# Allegro board ADRV9371-N_PCBZ_Layout_RevB.brd (continued)
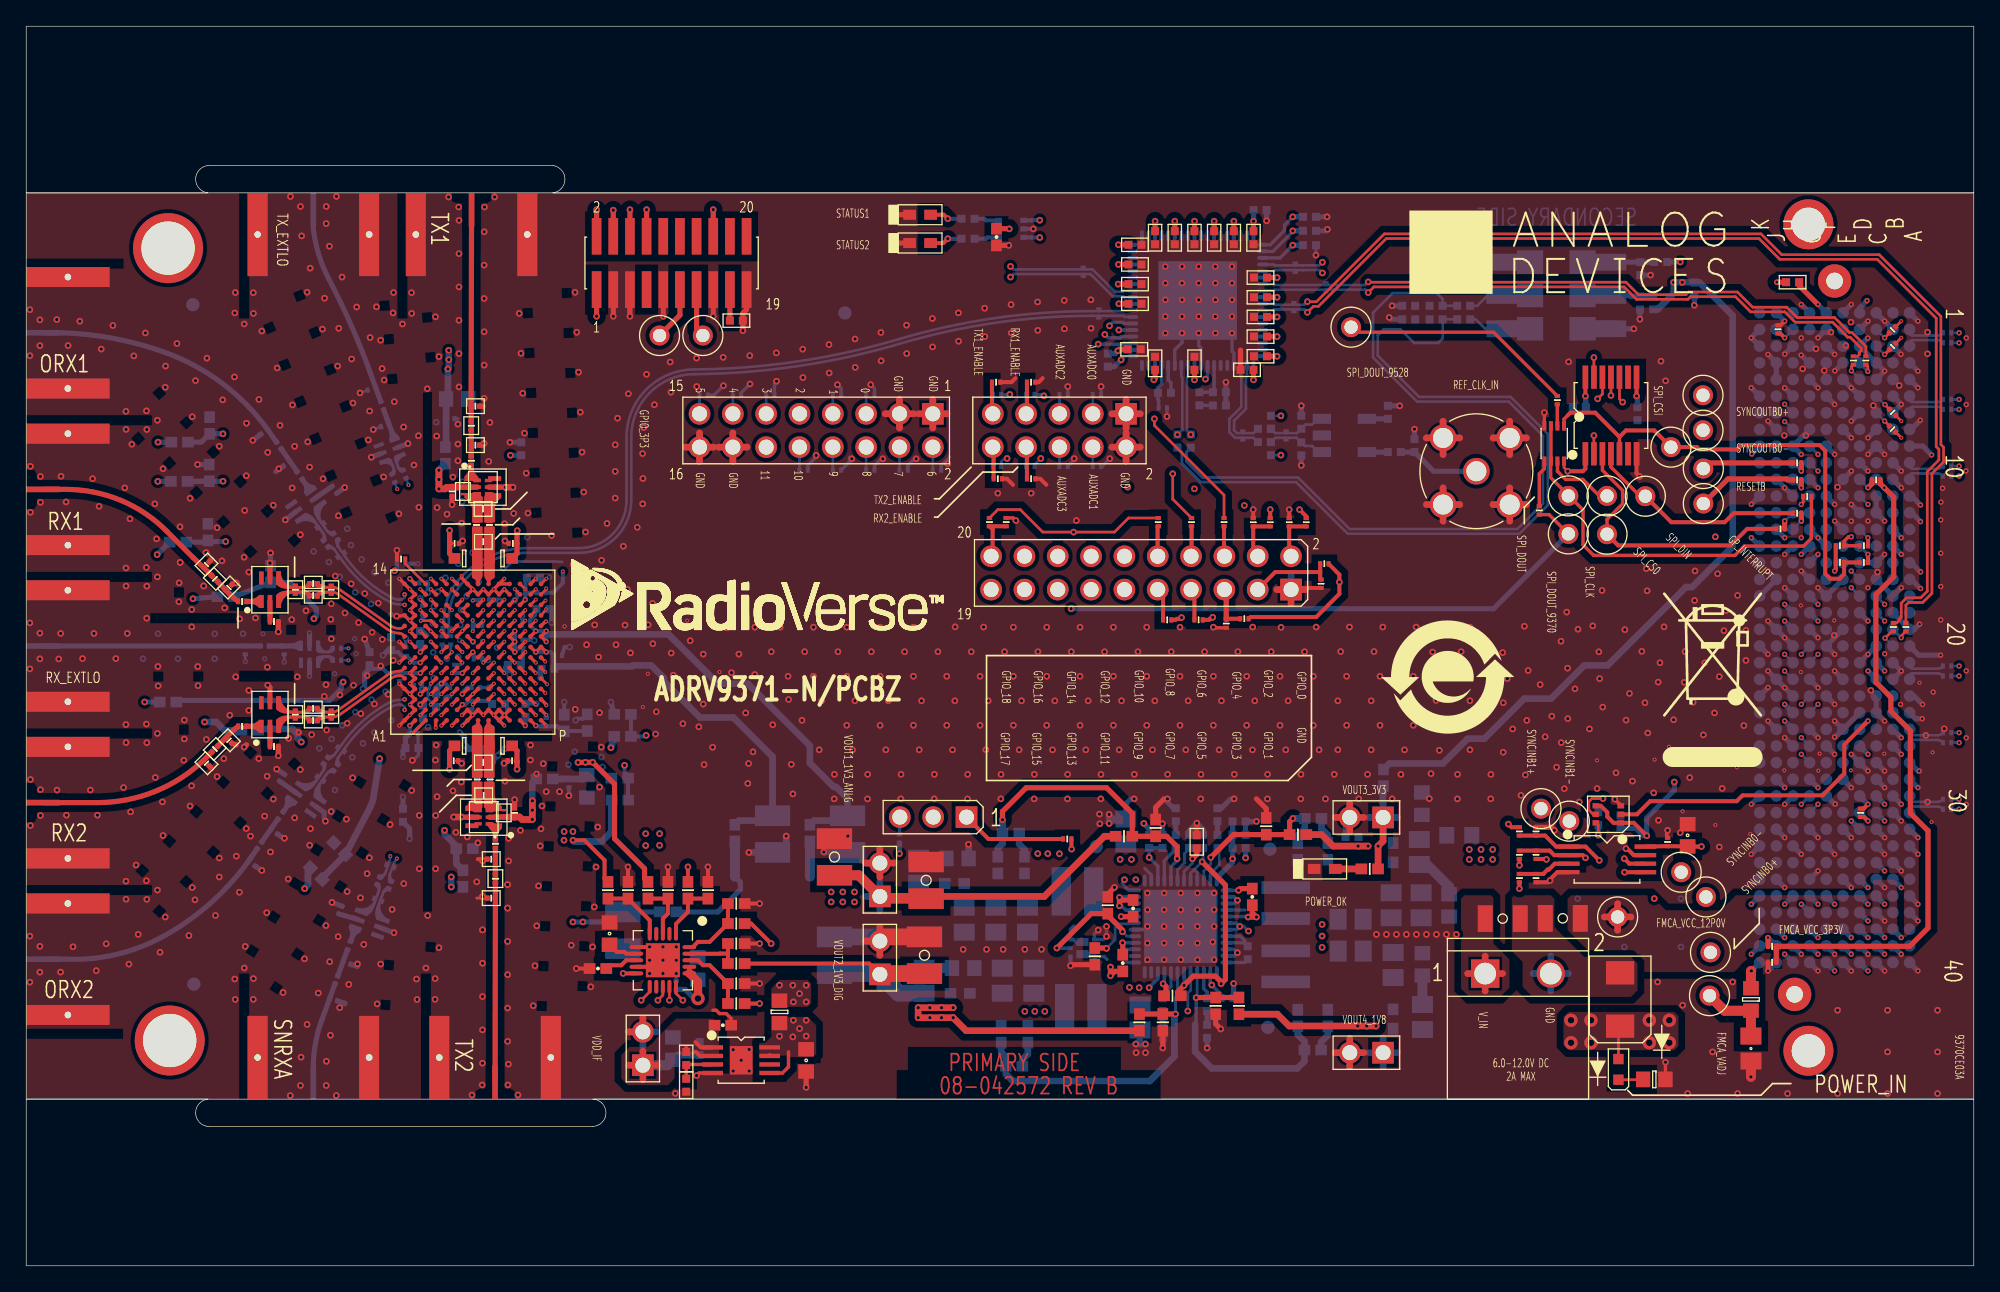
[diagram p0: board, top side]
## Copper pours and planes (outline as drawn; the poured copper is in the pictures) (continued)
VDD_IF on L12_PWR: 75.7,34.84 63.76,22.91 54.89,22.91 51.68,19.73 46.11,19.73 44.84,18.46 44.84,13.51 45.35,13 68.84,13 80.91,25.07 80.91,30.91 89.04,39.04 122.69,39.04 125.23,36.5 126.37,36.5 138.19,48.31 138.19,53.01 137.8,53.39 103.51,53.39 98.82,58.09 77.61,58.09 75.7,56.18
VDD_IF_LDO on TOP: 58.05,15.83 58.12,15.91 59.98,15.91 60.21,16.14 60.21,18.33 59.57,18.97 56.78,18.97 56.78,17.45 56.31,16.98 55.89,16.98 55.84,16.93 55.84,15.97 55.98,15.83
1P3_BUCK_OUT on BOTTOM: 80.07,21.37 80.07,18 79.92,17.84 71.54,17.84 71.46,17.92 71.46,21.35 71.59,21.48 79.97,21.48
3P3V_CLK on BOTTOM: 109.48,30.65 109.48,33.32 109.61,33.45 110.88,33.45 112.09,32.24 112.09,30.84 111.64,30.4 109.74,30.4
3P3V_CLK on L3_PWR: 146.34,31.86 128.41,31.86 125.87,34.4 121.87,34.4 119.96,32.5 114.12,32.5 112.28,30.65 109.74,30.65 109.1,31.29 109.1,39.54 111.64,42.08 137.52,42.08 140.79,45.36 140.79,62.12 139.09,63.82 106.79,63.82 106.08,63.17 87.51,63.17 80.78,69.9 80.78,76.75 80.27,77.26 74.3,77.26 74.05,77.52 74.05,80.44 74.3,80.69 99.32,80.69 107.48,72.53 144.91,72.57 147.38,70.1 147.38,32.91
3P3V_CLK on L10_SIG: 81.92,67.19 82.44,66.67 97.3,66.67 97.75,67.13 97.75,80.23 97.16,80.82 82.43,80.82 81.92,80.31
3P3V_VCO on L3_PWR: 108.6,79.51 108.6,74.69 108.78,74.51 126.91,74.51 127.24,74.84 127.24,79.51 126.99,79.77 108.85,79.77
3P3VAUX on L12_PWR: 112.4,33.83 112.4,29.26 112.87,28.79 126.53,28.79 126.83,29.1 139.59,29.1 139.76,29.27 139.76,34.05 139.46,34.35 112.93,34.35
BAL_TX1+ on TOP (solid shape): 34.64,58.95 34.66,58.73 34.8,58.6 34.8,56.72 34.77,56.67 34.72,56.65 34.06,56.65 34,56.67 33.98,56.72 33.98,57.71 33.79,58.18 33.42,58.52 33.42,58.88 33.73,58.85 33.92,58.89 34.1,58.98
BAL_TX2+ on TOP (solid shape): 35.62,36.9 35.67,36.88 35.69,36.83 35.69,35.85 35.89,35.37 36.26,35.03 36.26,34.67 35.95,34.7 35.76,34.66 35.58,34.57 35.03,34.6 35.02,34.83 34.88,34.95 34.88,36.83 34.9,36.88 34.95,36.9
FMCA_VADJ on L12_PWR: 127.04,21.83 127.04,19.24 127.14,19.14 132.83,19.14 133.03,19.34 133.03,21.27 133.82,22.06 139.2,22.06 139.43,22.29 139.43,24.57 139.31,24.7 130.75,24.7 130.7,24.65 130.7,22.21 130.44,21.96 127.17,21.96
FMCA_VCC_3P3V on L12_PWR: 126.96,22.64 127.05,22.56 130.05,22.56 130.16,22.67 130.16,25.03 130.57,25.44 139.26,25.44 139.84,24.85 139.84,21.91 139.94,21.81 142.68,21.81 142.79,21.91 142.79,28.18 142.58,28.38 127.04,28.38 126.96,28.31
FMCA_VCC_12P0V on TOP: 120.67,22.39 130.18,22.39 132.07,24.28 132.07,24.92 132.49,25.34 142.48,25.34 142.61,25.46 142.61,29.25 142.43,29.43 140.86,29.43 140.75,29.32 140.75,28.65 140.34,28.24 130.31,28.24 129.17,27.1 124.98,27.1 123.83,28.24 117.74,28.24 117.48,27.99 117.48,25.57
INPUT_VOLTAGE on TOP: 125.61,19.35 117.55,19.35 117.17,18.97 117.17,16.81 117.55,16.43 125.61,16.43 125.93,16.75 125.93,19.03
INPUT_VOLTAGE on BOTTOM: 100.77,27.37 100.77,23.13 100.67,23.03 98.54,23.03 98.42,23.14 98.42,27.43 98.49,27.5 100.65,27.5
INPUT_VOLTAGE on BOTTOM: 85.86,19.32 85.76,19.22 83.93,19.22 83.83,19.32 83.83,21.5 84.98,22.64 86.02,22.64 86.07,22.59 86.07,21.63 85.86,21.42
INPUT_VOLTAGE on BOTTOM: 85.71,28.97 84.95,28.97 84.87,28.89 84.87,28.54 84.82,28.49 83.5,28.49 83.45,28.54 83.05,28.54 82.87,28.71 82.87,32.78 82.89,32.8 84.65,32.8 84.7,32.75 84.7,31 85.76,29.93 85.76,29.02
INPUT_VOLTAGE on L12_PWR: 102.24,27.35 117.61,27.35 125.93,19.03 125.93,16.75 125.1,15.92 106.68,15.92 103.89,18.72 84.69,18.72 82.89,20.51 82.89,30.99 85.29,33.38 96.21,33.38
ORX1+ on BOTTOM (solid shape): 23.09,55.03 23.39,54.84 23.63,54.58 24.07,53.96 23.86,53.9 23.85,53.9 23.47,54.44 23.23,54.61 22.94,54.55 22.76,54.8 22.76,54.86 23.03,55.05
ORX1- on BOTTOM (solid shape): 23.84,55.56 24.02,55.31 23.86,55.05 23.93,54.77 24.31,54.22 24.31,54.22 24.16,54.11 23.75,54.67 23.59,54.98 23.51,55.32 23.51,55.39 23.78,55.58
ORX2+ on BOTTOM (solid shape): 24.18,39.44 24.31,39.34 24.31,39.33 23.93,38.79 23.86,38.5 24.02,38.25 23.84,38 23.78,37.98 23.51,38.17 23.51,38.23 23.59,38.57 23.75,38.88 24.16,39.44
ORX2- on BOTTOM (solid shape): 24.01,39.56 24.02,39.54 23.63,38.97 23.39,38.72 23.09,38.52 23.03,38.5 22.76,38.69 22.76,38.75 22.94,39 23.23,38.94 23.47,39.11 23.85,39.65 23.86,39.65
SNRXA- on BOTTOM (solid shape): 27.71,30.68 27.72,30.66 27.5,29.99 27.33,29.69 27.1,29.42 27.05,29.39 26.74,29.5 26.72,29.56 26.82,29.85 27.12,29.86 27.32,30.09 27.54,30.71 27.55,30.71
UNNAMED_3_CAP_I2_N1 on TOP (solid shape): 19.41,52.93 19.65,52.19 20.33,51.82 21.14,51.82 21.34,51.96 21.41,52.2 21.71,52.2 21.76,52.16 21.76,51.83 21.71,51.79 21.44,51.66 21.14,51.61 19.82,51.61 19.41,51.7 19.05,51.94 19.05,52.93
UNNAMED_3_CAP_I3_N1 on TOP (solid shape): 21.14,51.46 21.44,51.41 21.71,51.28 21.76,51.24 21.76,50.91 21.71,50.88 21.41,50.88 21.34,51.11 21.14,51.26 20.33,51.26 19.65,50.88 19.41,50.15 19.05,50.15 19.05,51.14 19.41,51.37 19.82,51.46
UNNAMED_3_CAP_I109_N1 on TOP (solid shape): 21.14,41.94 21.44,41.9 21.71,41.76 21.76,41.73 21.76,41.4 21.71,41.36 21.41,41.36 21.34,41.59 21.14,41.74 20.33,41.74 19.65,41.36 19.41,40.63 19.05,40.63 19.05,41.62 19.41,41.86 19.82,41.94
UNNAMED_3_CAP_I109_N2 on TOP (solid shape): 19.41,43.41 19.65,42.67 20.33,42.3 21.14,42.3 21.34,42.44 21.41,42.68 21.71,42.68 21.76,42.64 21.76,42.31 21.71,42.27 21.44,42.14 21.14,42.1 19.82,42.1 19.41,42.18 19.05,42.42 19.05,43.41
UNNAMED_3_CAP_I137_N2 on BOTTOM (solid shape): 26.97,29.17 26.99,29.11 27.02,28.81 26.96,28.51 26.51,27.28 26.28,26.91 25.94,26.66 25.05,26.99 25.08,27.02 25.2,27.31 25.21,27.31 25.94,27.32 26.49,27.82 26.77,28.58 26.7,28.82 26.5,28.96 26.61,29.25 26.66,29.29
UNNAMED_3_CAP_I141_N1 on BOTTOM (solid shape): 22.93,58.13 22.47,57.51 22.55,56.74 23.01,56.08 23.25,56 23.48,56.08 23.65,55.83 23.65,55.76 23.38,55.57 23.32,55.59 23.06,55.74 22.85,55.96 22.09,57.04 21.93,57.43 21.92,57.86 22.73,58.42
UNNAMED_3_CAP_I141_N2 on BOTTOM (solid shape): 21.26,57.4 21.66,57.24 21.97,56.95 22.72,55.87 22.86,55.6 22.9,55.3 22.9,55.24 22.63,55.05 22.57,55.07 22.4,55.32 22.55,55.51 22.56,55.76 22.09,56.42 21.39,56.76 20.65,56.54 20.45,56.83
UNNAMED_3_CAP_I188_N1 on BOTTOM (solid shape): 22.9,38.31 22.9,38.25 22.86,37.95 22.72,37.68 21.97,36.6 21.66,36.31 21.26,36.16 20.52,36.71 20.72,36.97 21.43,36.8 22.09,37.13 22.55,37.8 22.55,38.04 22.4,38.23 22.57,38.48 22.63,38.5
UNNAMED_3_CAP_I188_N2 on BOTTOM (solid shape): 23.65,37.79 23.65,37.73 23.48,37.48 23.25,37.55 23.01,37.47 22.55,36.81 22.46,36.08 22.87,35.46 22.87,35.46 22.7,35.18 21.92,35.7 21.93,36.12 22.09,36.51 22.85,37.59 23.06,37.81 23.32,37.96 23.38,37.98
UNNAMED_5_CAP_I900_N2 on BOTTOM: 107.28,73.47 107.28,71.92 107.18,71.82 105.58,71.82 105.52,71.87 105.52,73.47 105.58,73.52 107.23,73.52
UNNAMED_8_ADP5054_I118_SW11 on BOTTOM: 84.9,28.13 84.9,27.24 84.85,27.19 83.32,27.19 81.83,25.69 81.29,25.69 80.78,25.18 80.78,24.68 80.66,24.55 79.95,24.55 79.82,24.68 79.44,24.68 79.39,24.73 79.39,25.64 80.38,26.63 80.38,30.39 80.45,30.47 82.16,30.47 82.26,30.37 82.26,28.44 82.41,28.28 83.86,28.28 83.99,28.16 84.87,28.16
UNNAMED_8_ADP5054_I118_SW21 on BOTTOM: 84.06,22.95 82.99,21.88 82.99,17.79 82.94,17.74 80.66,17.74 80.58,17.82 80.58,23.18 80.28,23.48 80.28,24.04 80.3,24.07 81.01,24.07 81.37,23.71 82.77,23.71 83.05,23.99 84.85,23.99 84.9,23.94 84.9,23.28 84.57,22.95
UNNAMED_8_ADP5054_I118_SW31 on BOTTOM: 97.85,25.77 92.7,25.77 92.57,25.9 92.57,27.29 92.62,27.34 97.85,27.34 97.9,27.29 97.9,25.82
UNNAMED_8_ADP5054_I118_SW41 on BOTTOM: 93.71,23.48 92.54,23.48 92.49,23.53 92.49,25.03 92.72,25.26 97.83,25.26 97.88,25.21 97.88,23.28 97.8,23.2 93.99,23.2
UNNAMED_8_CAP_I101_N1 on BOTTOM: 79.82,30.26 79.82,26.89 79.67,26.73 70.73,26.73 70.65,26.81 70.65,28 71.01,28.36 71.01,29.71 71.11,29.81 72.76,29.81 73.32,30.37 79.72,30.37
UNNAMED_8_CAP_I945_N1 on BOTTOM: 94.09,20.89 94.09,22.39 94.17,22.47 101.41,22.47 101.64,22.69 104.97,22.69 105.02,22.64 105.02,19.22 104.86,19.06 96.35,19.06 96.3,19.11 96.3,20.76 96.23,20.84 94.15,20.84
UNNAMED_8_CAP_I1036_N1 on BOTTOM: 94.09,29.58 94.09,28.08 94.17,28 101.41,28 101.64,27.77 107.07,27.77 107.07,29.05 104.91,31.2 100.75,31.2 100.55,31.41 96.35,31.41 96.3,31.36 96.3,29.71 96.23,29.63 94.15,29.63
UNNAMED_8_CN2P_I1027_N1 on TOP: 111.83,28.05 111.83,24.56 113.04,23.35 113.04,21.19 112.34,20.49 109.99,20.49 109.36,21.13 109.36,27.99 109.61,28.24 111.64,28.24
UNNAMED_8_DIO_I32_P on TOP: 113.42,28.24 113.23,28.05 113.23,23.99 114.06,23.16 114.06,21.26 114.82,20.49 122.31,20.5 122.82,21 122.82,23.03 122.31,23.54 118.75,23.54 116.47,25.83 116.47,27.99 116.21,28.24
VOUT1_1V3_ANLG on BOTTOM: 68.41,26.79 61.38,26.82 59.95,28.24 54.75,28.24 53.6,29.38 53.6,30.02 66.68,30.02 66.94,29.76 70.24,29.76 70.45,29.56 70.45,28.83
VOUT1_1V3_ANLG on BOTTOM: 33.79,29.32 33.79,28.49 33.54,28.24 32.65,28.24 32.01,28.88 32.01,29.89 32.14,30.02 33.09,30.02
VOUT1_1V3_ANLG on BOTTOM: 42.05,33.19 41.79,33.45 40.9,33.45 40.65,33.19 40.65,32.3 40.9,32.05 41.79,32.05 42.05,32.3
VOUT1_1V3_ANLG on L8_SIG: 60.84,29.64 66.15,29.64 66.4,29.38 66.4,26.95 66.18,26.72 60.84,26.72 60.46,27.1 60.46,29.26
VOUT1_1V3_ANLG on L12_PWR: 8.14,25.95 12.73,21.36 50.02,21.36 54.75,26.08 64.65,26.08 66.68,28.11 66.68,28.75 63.26,32.18 51.7,32.18 48.51,28.99 46.63,28.99 45.09,30.53 45.09,41.07 44.21,41.96 41.79,41.96 39.76,39.92 36.59,39.92 33.13,36.47 33.16,28.62 33.03,28.49 32.9,28.49 32.78,28.62 32.78,29.89 32.65,30.02 32.14,30.02 32.01,29.89 32.01,28.62 31.51,28.11 27.47,28.11 18.93,36.65 18.93,53.77 13.73,58.97 13.73,60.24 10.8,63.17 9.41,63.17 8.14,61.9 ; 1 cut-out
VOUT2_1V3_DIG on BOTTOM, L5_SIG: 71,21.51 71,18.72 70.88,18.59 66.56,18.59 63.89,21.26 63.89,22.65 64.02,22.78 66.18,22.78 67.32,21.64 70.88,21.64
VOUT2_1V3_DIG on L8_SIG: 67.73,18.54 70.98,18.54 71.08,18.64 71.08,21.05 68.46,23.67 63.64,23.67 63.13,23.16 63.13,21 64.27,19.86 66.4,19.86
VOUT3_3V3 on TOP: 56.78,19.86 56.78,21.13 57.44,21.79 59.55,21.79 59.83,21.51 59.83,19.99 59.57,19.73 56.91,19.73
VOUT3_3V3 on BOTTOM: 107.32,34.97 108.85,33.45 108.85,32.05 108.56,31.76 101.31,31.76 101.23,31.84 101.23,33.06 101.28,33.11 101.71,33.11 101.99,33.38 101.99,35.99 102.75,36.75 104.28,36.75 106.05,34.97
VOUT3_3V3 on L3_PWR: 29.09,51.74 28.84,51.99 28.84,53.01 29.09,53.26 36.46,53.26 43.06,59.86 86.62,59.86 105.04,41.45 105.04,33.19 103.39,31.54 99.45,31.54 97.93,33.07 60.21,33.07 56.31,36.97 56.31,50.12 54.7,51.74
VOUT3_3V3 on L10_SIG: 71.04,20.33 76.08,15.29 93.86,15.29 102.32,23.75 102.32,25.27 105.55,28.49 105.55,33.57 104.15,34.97 102.63,34.97 101.99,34.34 101.99,33.83 101.23,33.07 97.29,33.07 92.46,28.23 61.61,28.25 57.03,23.67 57.03,20.62 57.92,19.73 60.08,19.73 60.73,20.38
VOUT4_1V8 on BOTTOM: 42.74,37.38 43.44,38.08 43.44,38.53 43.25,38.72 41.98,38.72 41.79,38.53 41.79,38.21 42.62,37.38
VOUT4_1V8 on BOTTOM: 107.2,18.66 105.22,18.66 105.14,18.58 101.23,18.58 101.23,17.36 101.28,17.31 102,17.31 102.18,17.13 102.18,15.17 102.5,14.86 105.06,14.86 105.19,14.98 105.19,16.68 105.37,16.86 107.15,16.86 107.27,16.99 107.27,18.58
VOUT4_1V8 on L3_PWR: 81.42,19.99 104.28,19.99 105.29,18.97 105.29,14.65 104.28,13.64 49.94,13.64 43.34,20.24 19.19,20.24 14.54,24.89 14.54,60.55 24.77,70.79 32.78,70.79 33.92,69.64 33.92,67.61 33.79,67.48 29.73,67.48 28.2,65.96 28.2,56.69 26.68,55.16 26.68,50.34 28.08,48.94 28.08,28.88 30.74,26.21 37.46,26.21 37.97,26.72 37.97,32.04 41.73,35.8 41.73,38.53 41.92,38.72 43.38,38.72 45.48,36.62 45.48,30.49 47.58,28.38 55.8,28.38 61.65,22.53 78.88,22.53
BAL_TX1- on TOP (solid shape): 35.52,58.98 35.69,58.89 35.89,58.85 36.2,58.88 36.2,58.52 35.85,58.18 35.72,57.71 35.72,56.72 35.69,56.67 35.64,56.65 34.98,56.65 34.93,56.67 34.9,56.72 34.9,58.6 34.93,58.66 34.96,58.73 34.97,58.95
BAL_TX2- on TOP (solid shape): 34.7,36.9 34.75,36.88 34.77,36.83 34.77,34.95 34.75,34.89 34.72,34.83 34.7,34.6 34.16,34.57 33.98,34.66 33.79,34.7 33.48,34.67 33.48,35.03 33.82,35.37 33.96,35.85 33.96,36.83 33.98,36.88 34.03,36.9
BAL_TX_OUT1 on TOP (solid shape): 34.1,60.7 34.22,60.42 34.41,60.19 34.49,60.04 34.66,59.99 34.66,59.89 34.5,59.73 34.1,59.73 33.78,59.91 33.42,59.83 33.42,60.13 33.42,60.14 33.42,60.19 33.62,60.43 33.76,60.7
BAL_TX_OUT2 on TOP (solid shape): 35.58,33.8 35.91,33.63 36.27,33.7 36.27,33.41 36.26,33.4 36.27,33.35 36.07,33.11 35.92,32.84 35.58,32.84 35.47,33.12 35.19,33.5 35.03,33.55 35.03,33.64 35.19,33.8
TX1+ on TOP (solid shape): 33.98,56.29 34,56.34 34.05,56.36 34.71,56.36 34.77,56.34 34.79,56.29 34.79,52.7 34.76,52.51 34.68,52.34 34.6,52.23 34.57,52.1 34.57,51.95 34.51,51.89 34.39,51.89 34.32,51.96 34.32,52.09 34.26,52.26 34.12,52.36 34.03,52.42 33.98,52.51
TX1- on TOP (solid shape): 35.63,56.36 35.69,56.34 35.71,56.29 35.71,52.51 35.66,52.42 35.57,52.36 35.43,52.26 35.37,52.09 35.37,51.95 35.31,51.89 35.18,51.89 35.12,51.95 35.12,52.1 35.08,52.23 35.01,52.34 34.93,52.51 34.9,52.7 34.9,56.29 34.92,56.34 34.97,56.36
TX2+ on TOP (solid shape): 35.36,41.6 35.36,41.46 35.42,41.3 35.56,41.19 35.65,41.14 35.7,41.04 35.7,37.26 35.68,37.21 35.62,37.19 34.96,37.19 34.91,37.21 34.89,37.26 34.89,40.85 34.91,41.04 35,41.21 35.07,41.32 35.1,41.46 35.1,41.6 35.17,41.66 35.29,41.66
TX2- on TOP (solid shape): 34.56,41.6 34.56,41.46 34.59,41.32 34.67,41.21 34.75,41.04 34.78,40.85 34.78,37.26 34.76,37.21 34.7,37.19 34.04,37.19 33.99,37.21 33.96,37.26 33.96,41.04 34.02,41.14 34.11,41.19 34.25,41.3 34.31,41.46 34.31,41.6 34.37,41.66 34.5,41.66
UNNAMED_3_CAP_I137_N1 on BOTTOM (solid shape): 27.83,28.86 27.85,28.8 27.74,28.51 27.5,28.53 27.3,28.39 27.02,27.63 27.12,26.9 27.67,26.41 27.67,26.41 27.57,26.09 26.69,26.39 26.59,26.8 26.65,27.22 27.1,28.46 27.25,28.72 27.47,28.94 27.52,28.97
UNNAMED_3_CAP_I192_N2 on TOP (solid shape): 18.07,51.08 18.02,50.59 18.07,50.19 18.05,50.15 17.74,50.15 17.43,50.39 17.03,50.46 17.03,50.81 17.43,50.89 17.74,51.14
UNNAMED_3_CAP_I194_N2 on TOP (solid shape): 18.07,41.57 18.02,41.07 18.07,40.67 18.05,40.63 17.74,40.63 17.43,40.87 17.03,40.94 17.03,41.29 17.43,41.37 17.74,41.62
UNNAMED_3_CAP_I199_N2 on BOTTOM (solid shape): 21.37,59.77 21.65,59.59 21.97,59.5 22.15,59.25 21.75,58.95 21.29,58.75 21.16,58.93 21.18,59.26 21.09,59.57
UNNAMED_3_CAP_I201_N2 on BOTTOM (solid shape): 20.29,35.63 20.66,35.29 20.51,35.08 20.19,34.99 19.93,34.79 19.64,34.99 19.72,35.32 19.7,35.65 19.86,35.88
UNNAMED_4_CAP_I388_N1 on BOTTOM (solid shape): 23.09,46.53 23.32,46.49 23.5,46.35 23.53,46.33 23.53,45.99 23.51,45.98 23.2,45.98 23.19,46.01 23.13,46.19 23,46.33 22.78,46.33 22.5,46.07 22.41,45.69 22.41,45.6 22.39,45.58 22.37,45.57 22.1,45.57 22.09,45.58 22.09,45.6 22.09,46.34 22.19,46.47 22.34,46.53 22.35,46.53
UNNAMED_4_CAP_I389_N1 on BOTTOM (solid shape): 22.37,47.65 22.39,47.64 22.4,47.62 22.41,47.53 22.5,47.16 22.78,46.89 23,46.89 23.13,47.03 23.19,47.22 23.2,47.25 23.51,47.25 23.53,47.24 23.53,46.9 23.5,46.87 23.32,46.74 23.09,46.69 22.35,46.69 22.34,46.69 22.19,46.75 22.09,46.88 22.09,47.63 22.09,47.64 22.1,47.65
UNNAMED_4_CAP_I696_N1 on BOTTOM (solid shape): 28.82,62.03 28.83,62.03 28.84,62.03 28.94,61.77 28.93,61.75 28.92,61.73 28.83,61.7 28.52,61.48 28.36,61.13 28.44,60.92 28.61,60.85 28.8,60.86 28.84,60.86 28.94,60.56 28.94,60.54 28.62,60.43 28.59,60.44 28.4,60.57 28.28,60.77 28.02,61.47 28.03,61.47 28.03,61.64 28.12,61.78
UNNAMED_4_CAP_I697_N1 on BOTTOM (solid shape): 27.61,61.59 27.76,61.54 27.87,61.42 27.88,61.41 28.13,60.72 28.16,60.49 28.1,60.27 28.09,60.23 27.77,60.12 27.75,60.13 27.65,60.42 27.67,60.45 27.82,60.56 27.91,60.73 27.83,60.94 27.49,61.11 27.1,61.07 27.02,61.04 27,61.05 26.98,61.06 26.89,61.32 26.89,61.33 26.91,61.34

Small or netless copper shapes (teardrops, artwork), in the pictures only: 4 on TOP, 4 on BOTTOM

## Text on the board
Ref Des/Silkscreen Bottom: RX_EXTLO | TX_EXTLO | RX1 | ORX1 | RX2 | ORX2 | SNRXA | TX1 | TX2
Ref Des/Silkscreen Top: STATUS1 | STATUS2 | TX2_ENABLE | RX2_ENABLE | POWER_OK | VOUT3_3V3 | VOUT4_1V8 | SPI_DOUT_9528 | REF_CLK_IN | 6.0-12.0V DC | 2A MAX | FMCA_VCC_12P0V | RESETB | SYNCOUTB0+ | SYNCOUTB0- | FMCA_VCC_3P3V | SYNCINB0- | SYNCINB0+ | VDD_IF | GPIO_3P3 | 5 | GND | 4 | 11 | 3 | 10 | 2 | 1 | 9 | VOUT2_1V3_DIG | VOUT1_1V3_ANLG | 0 | 8 | 7 | 6 | TX1_ENABLE | GPIO_17 | GPIO_18 | RX1_ENABLE | GPIO_15 | GPIO_16 | AUXADC2 | AUXADC3 | GPIO_14 | GPIO_13 | AUXADC0 | AUXADC1 | GPIO_12 | GPIO_11 | GPIO_9 | GPIO_10 | GPIO_8 | GPIO_7 | GPIO_6 | GPIO_5 | GPIO_4 | GPIO_3 | GPIO_2 | GPIO_1 | GPIO_0 | V_IN | SPI_DOUT | SYNCINB1+ | SPI_DOUT_9370 | SYNCINB1- | SPI_CLK | SPI_CSI | FMCA_VADJ | 9370CE03A | SPI_CS0 | SPI_DIN | GP_INTERRUPT | RX_EXTLO | TX_EXTLO | ORX1 | RX1 | RX2 | ORX2 | POWER_IN | SNRXA | TX1 | TX2 | ADRV9371-N/PCBZ
DIMENSION: PRE-ROUTES (2 PLACES) | 0.062" WIDE | .087" | 30 DEGREES BOTH SIDES | SCORE DETAIL | SCORE EDGE | WEB .020 +/- .004
PAGE_OUTLINE: B | AS PER ECR-066657 | 17JAN17 | T. KARPUS
User.15: CHARACTERISTIC IMPEDANCE = 100 OHMS +/- 10% DIFF PAIR | ARTWORK LINE WIDTH FOR | IMPEDANCE CONTROLLED LINES = 0.008"/0.006 AND 0.0036"/0.0064" | CHARACTERISTIC IMPEDANCE = 50 OHMS +/- 10% DIFF PAIR | IMPEDANCE CONTROLLED LINES = 0.032"/0.004" | ISOLA 370HR | ROGERS4003 | 50 OHMS 0.0045" SINGLE ENDED / 100 OHMS 0.0036"/0.0064" DIFF | 50 OHMS 0.0155" SINGLE ENDED; 0.032"/0.004" DIFF | 50 OHMS 0.0155" SINGLE ENDED / 100 OHMS 0.008"/0.006" DIFF | 100 OHMS 0.008"/0.006" DIFF | SEE NOTE 15
User.17: 08-      -07 | L2 GND
User.18: L3 PWR | 08-      -08
User.19: L4 GND | 08-      -09
User.20: 08-      -10 | L5 SIG
User.22: 08-      -11 | L6 GND
User.23: 08-      -12 | L7 SIG
User.24: 08-      -13 | L8 SIG
User.25: 08-      -14 | L9 GND
User.26: 08-      -15 | L10 SIG
User.27: L11 GND | 08-      -16
User.28: L12 PWR | 08-      -17
User.29: 08-      -18 | L13 GND
User.45: FIGURE | SIZE | 8.0 | 6.01 | 10.01 | 6.0 | 10.0 | 20.0 | 40.0 | 45.0 | 60.0 | 65.0 | 50.0 | 100.0 | 160.0 | 10.02 | PLATED | NON-PLATED | BACKDRILL: TOP to L9_GND | ALL UNITS ARE IN MILS | BACKDRILL: TOP to L4_GND | DRILL CHART: TOP to L10_SIG | DRILL CHART: TOP to BOTTOM | DRILL CHART: BOTTOM to L11_GND | QTY | 6 | 110 | 60 | 90 | 271 | 1130 | 171 | 20 | 59 | 5 | 2 | 17 | 88 | TOLERANCE/NOTES
